# KiCad board travis_erg2026-v1.kicad_pcb
title: travis_erg2026; date: 2026-01-24; rev: 2026.01.24; company: Travis Hardiman
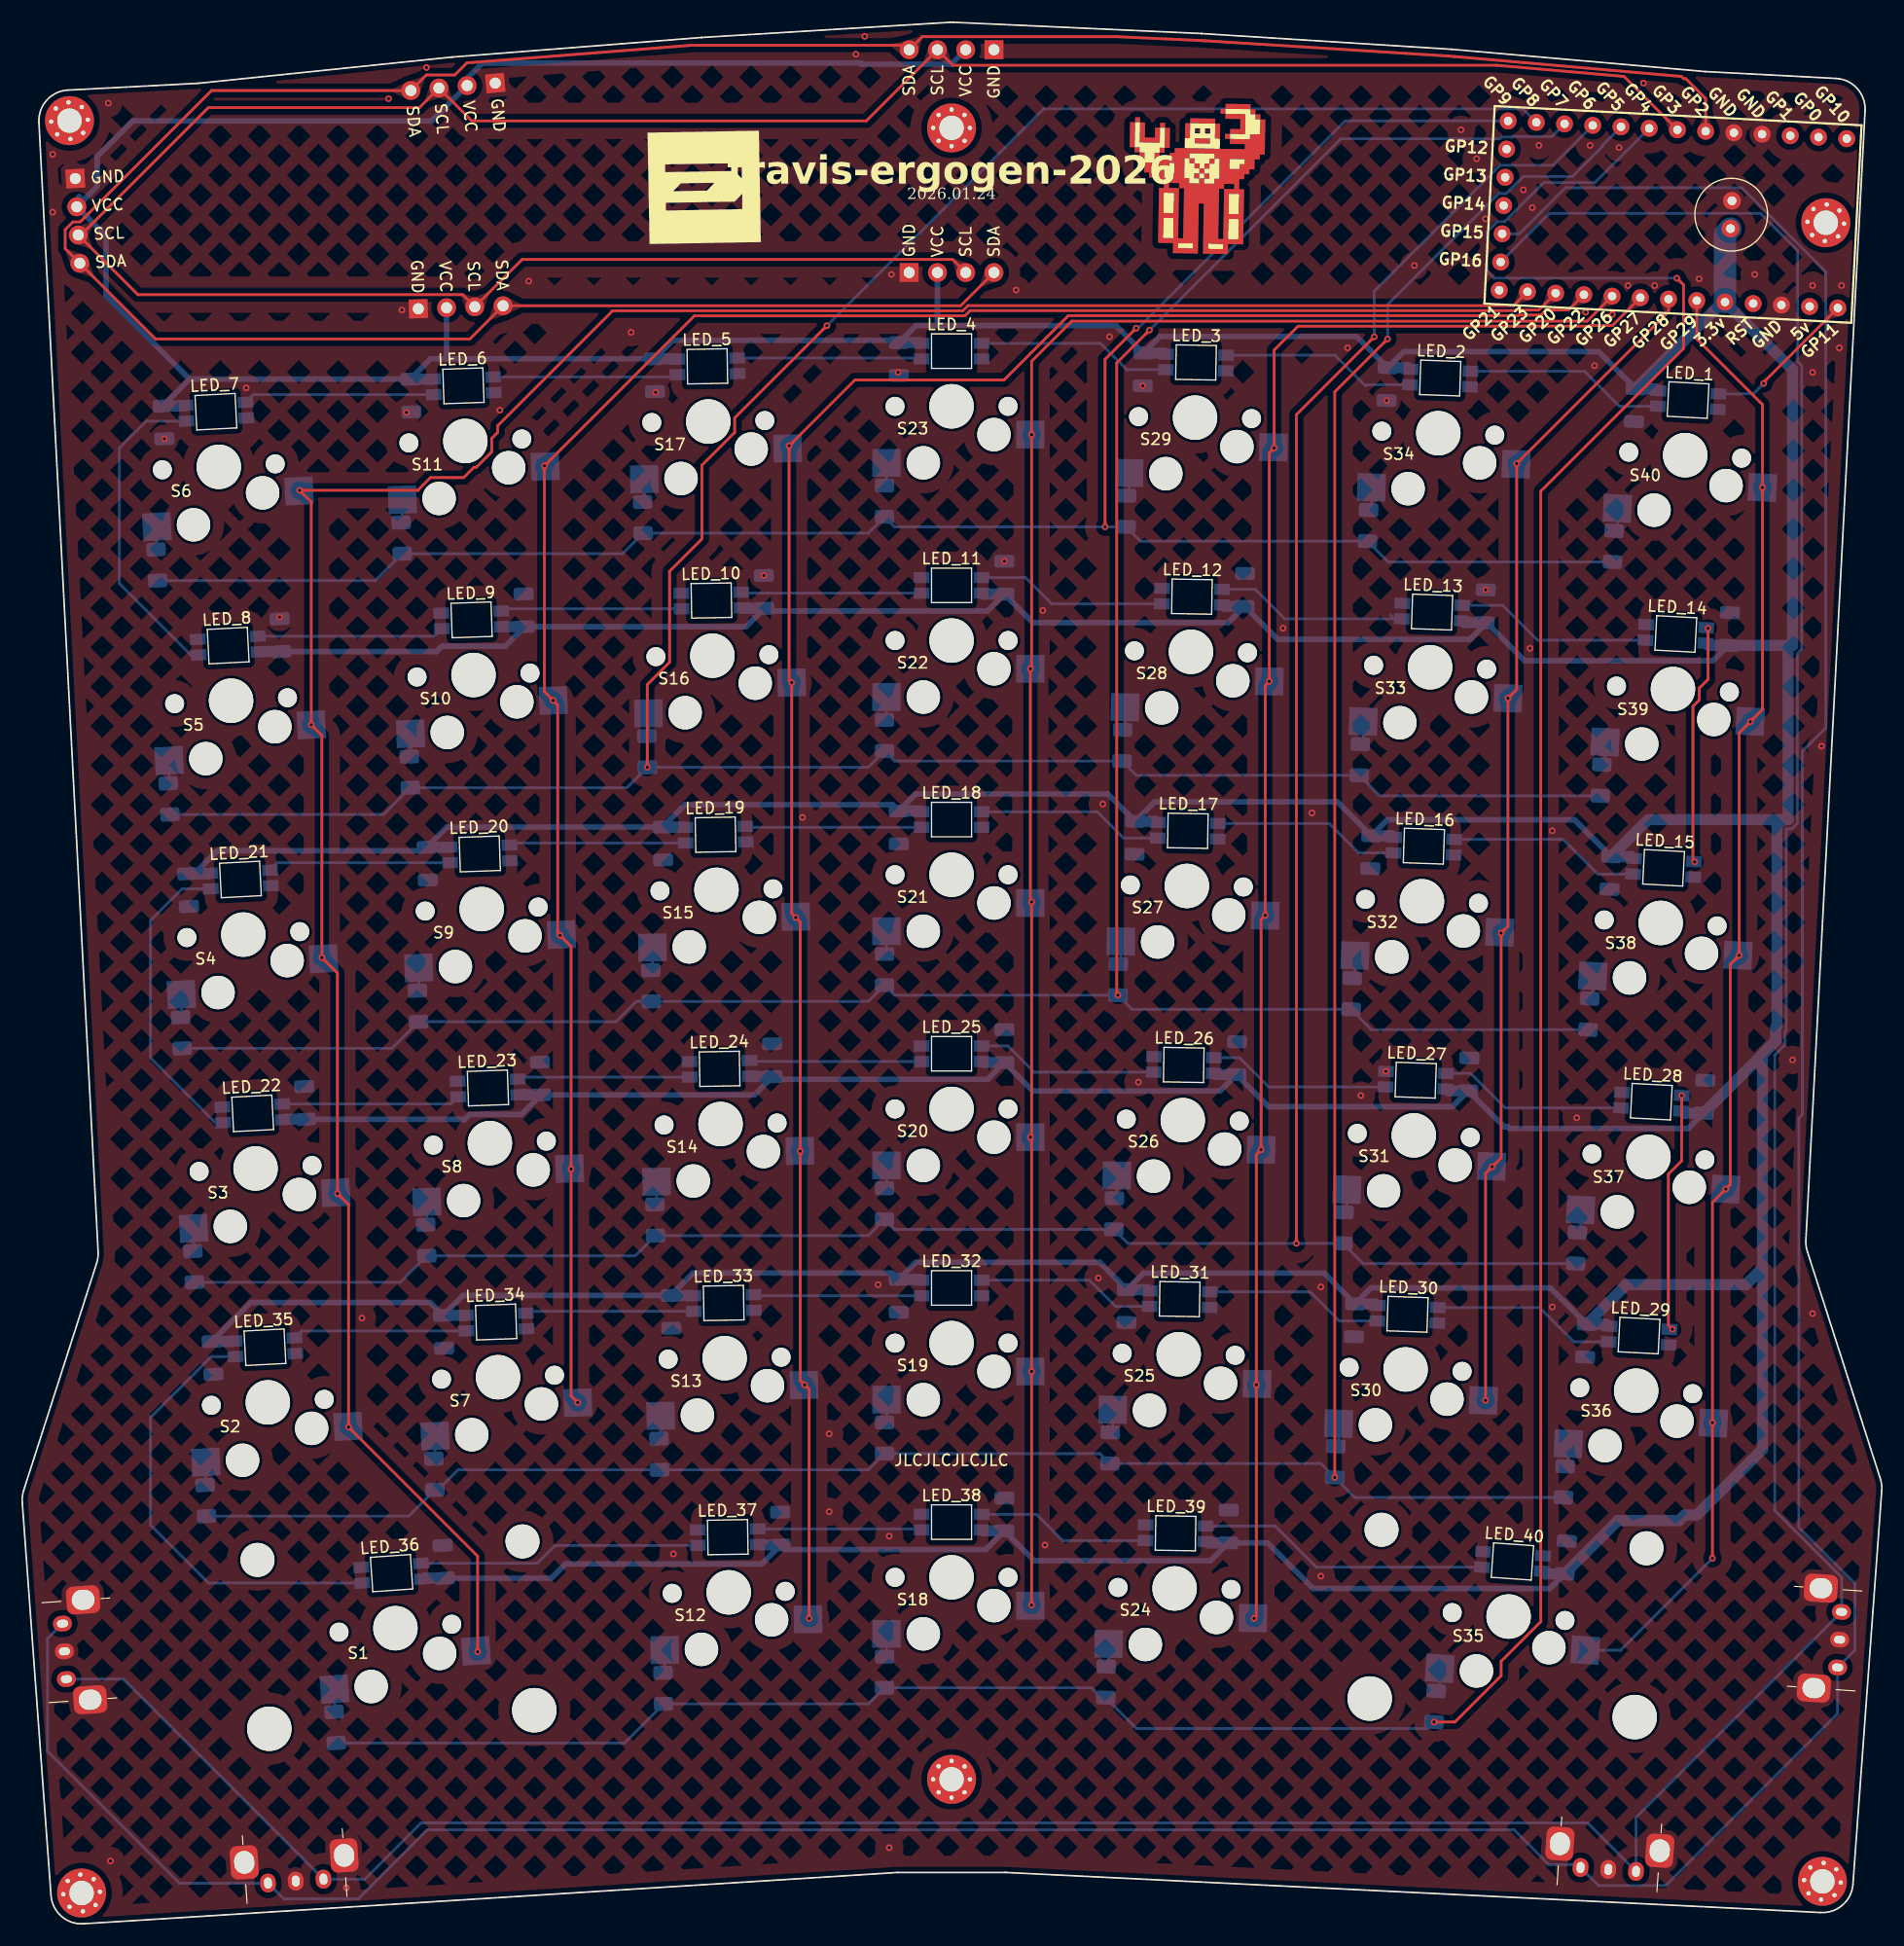
[diagram p0: board, top side]
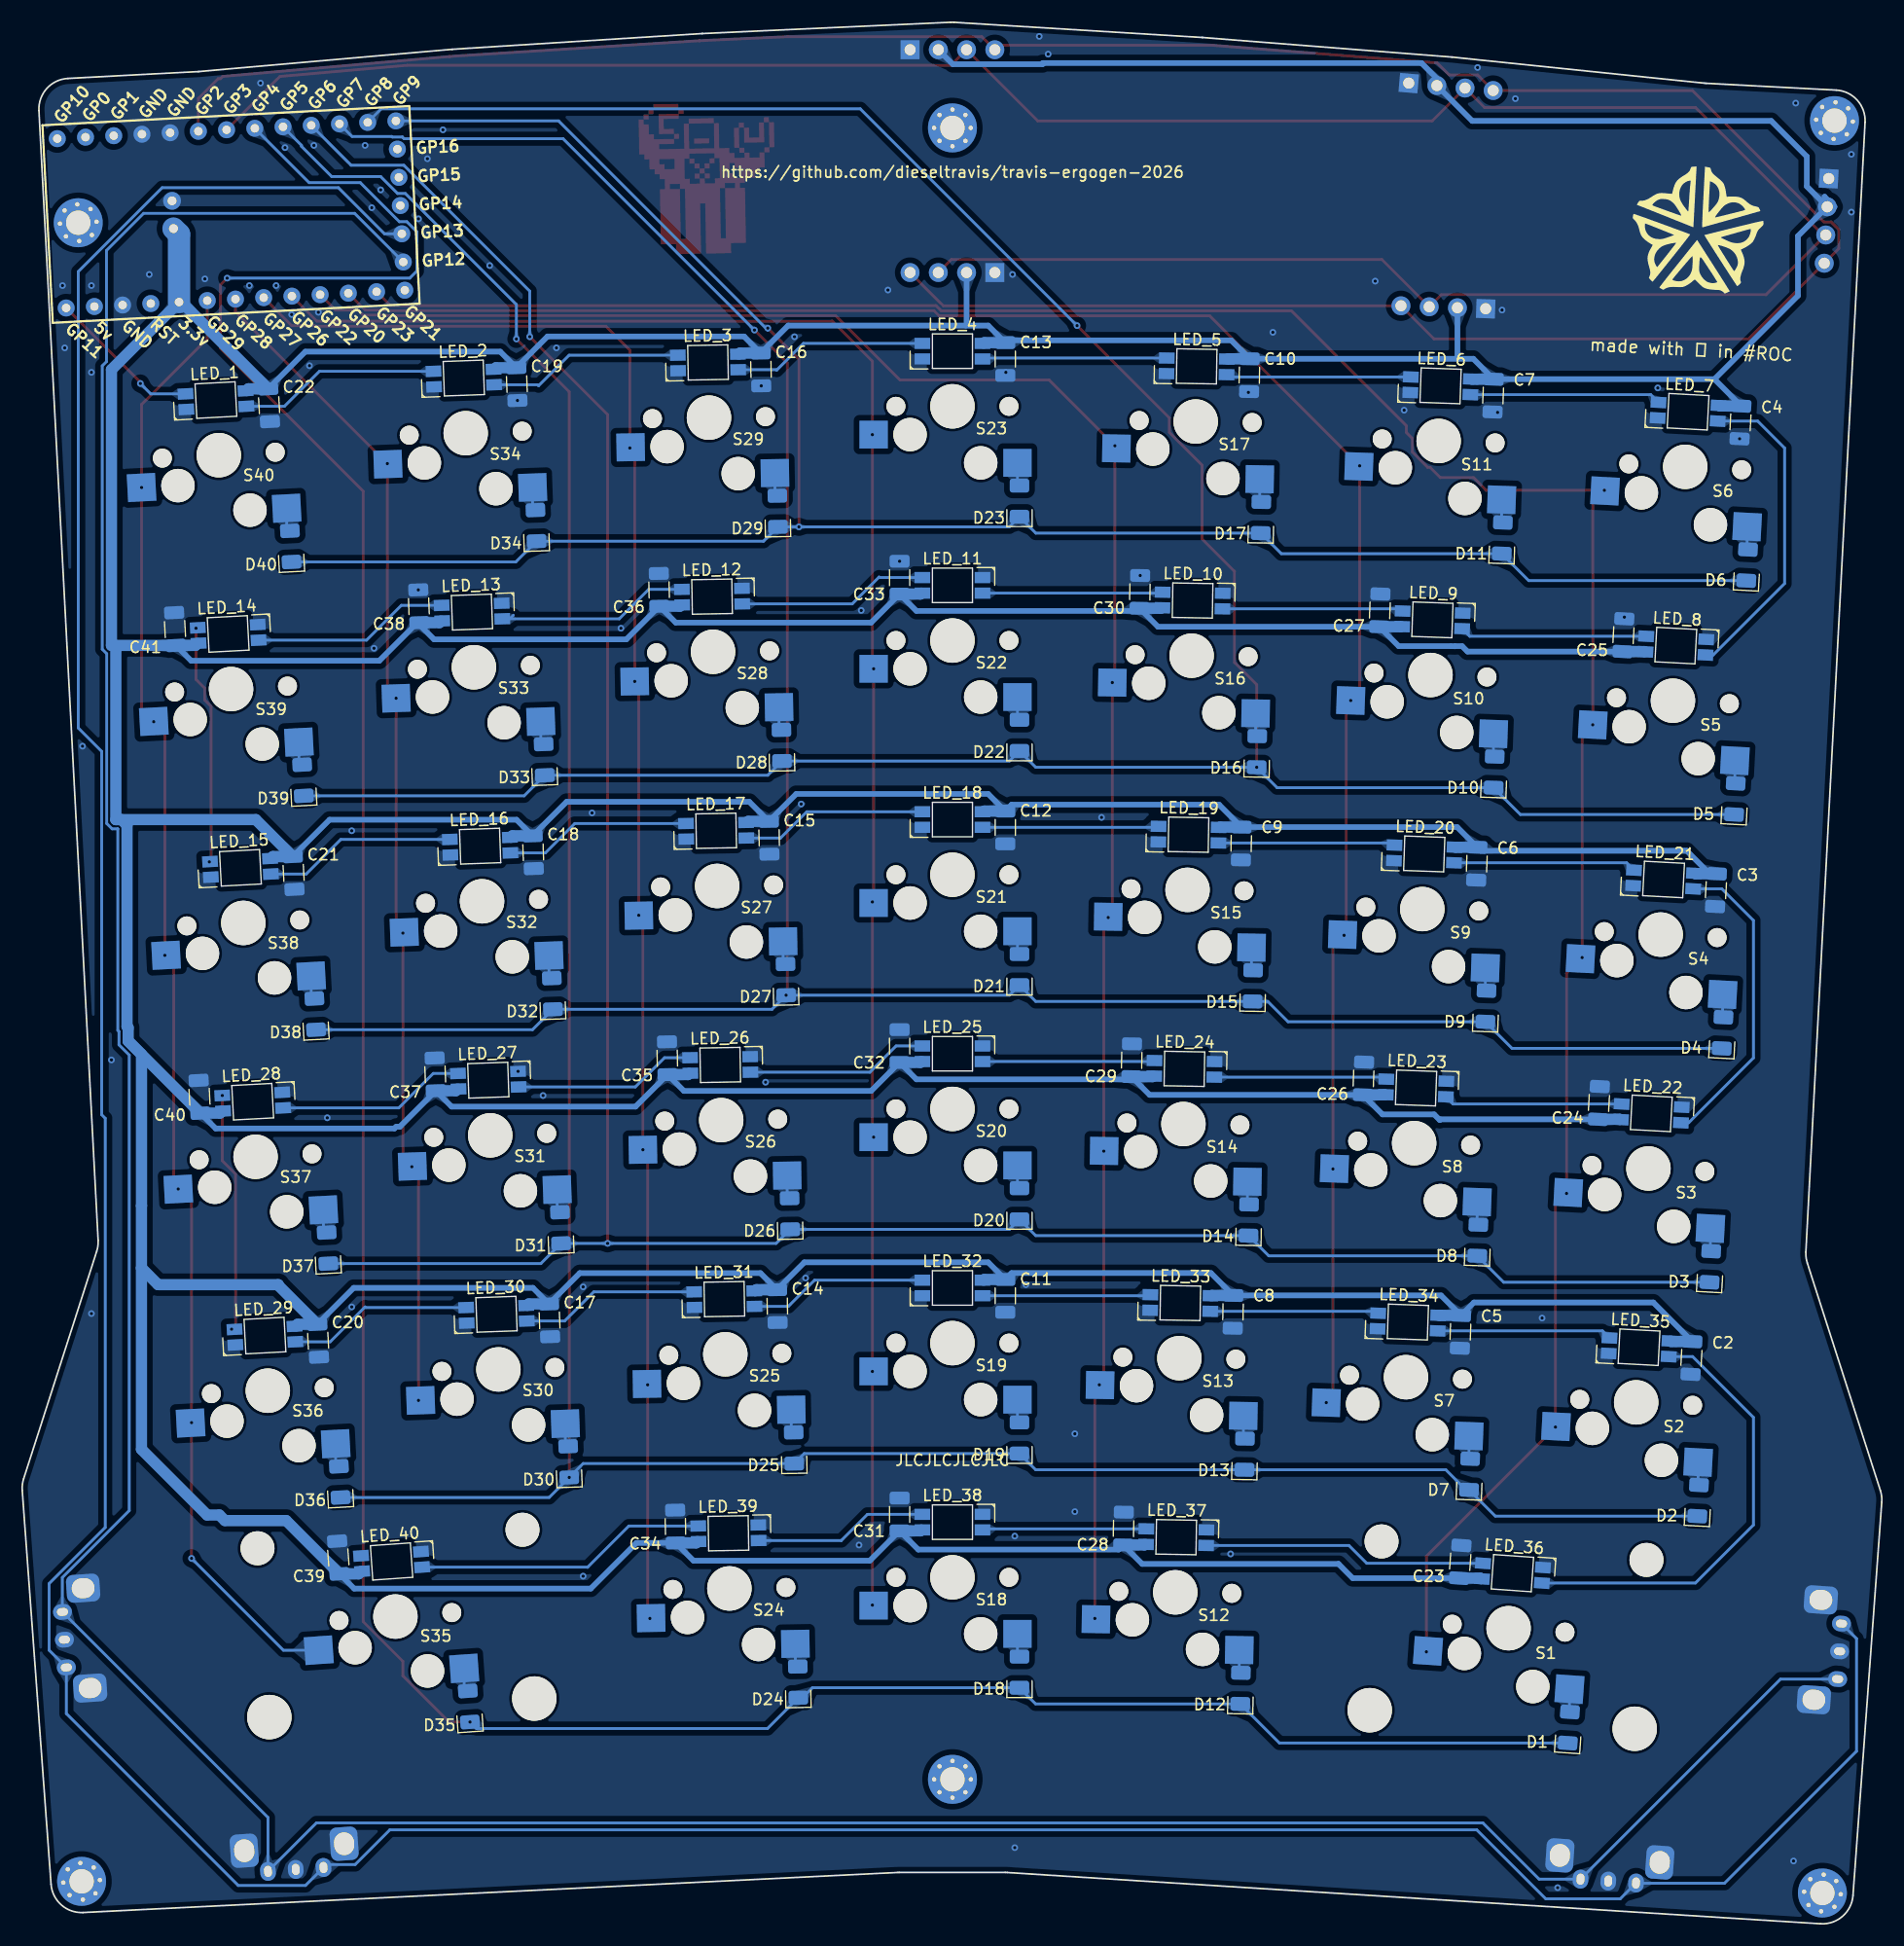
[diagram p1: board, bottom side, seen from below]

Outline 167.15 x 170.91 mm; copper layers: Top, Bottom. Coordinates in mm from the lower left corner of the outline.
Outline path: 0,37.9 arc(0.01,38.43) 0.12,38.94 6.69,59.39 arc(6.8,59.88) 6.82,60.38 1.5,161.92 arc(2.2,163.9) 4.1,164.81 15.79,165.42 arc(15.86,165.43) 15.93,165.43 38.59,167.77 arc(38.62,167.78) 38.66,167.78 61.04,169.54 arc(61.07,169.54) 61.09,169.54 83.39,170.9 arc(83.54,170.91) 83.68,170.91 106,169.89 arc(106.02,169.89) 106.05,169.89 128.46,168.48 arc(128.49,168.48) 128.53,168.47 151.24,166.48 arc(151.29,166.47) 151.34,166.47 163.05,165.86 arc(164.95,164.95) 165.65,162.97 160.33,61.42 arc(160.35,60.93) 160.46,60.44 167.03,39.99 arc(167.14,39.47) 167.15,38.95 164.56,3.55 arc(163.64,1.7) 161.68,1.01 88.44,4.61 arc(88.38,4.61) 88.31,4.61 78.78,4.61 arc(78.69,4.61) 78.61,4.61 5.5,0 arc(3.52,0.67) 2.59,2.54 0,37.9

## Placement (name value [footprint] x y rotation side)
C1  6.3V 1000uF  [C_Radial_D6.3mm_H11.0mm_P2.50mm]  153.55 152.36 87 top
C2  -  [C_1206_3216Metric]  17.11 50.86 273 bottom
C3  -  [C_1206_3216Metric]  14.91 92.9 273 bottom
C4  -  [C_1206_3216Metric]  12.7 134.94 273 bottom
C5  -  [C_1206_3216Metric]  37.87 53.21 272 bottom
C6  -  [C_1206_3216Metric]  36.4 95.28 272 bottom
C7  -  [C_1206_3216Metric]  34.93 137.36 272 bottom
C8  -  [C_1206_3216Metric]  58.32 55 271 bottom
C9  -  [C_1206_3216Metric]  57.58 97.09 271 bottom
C10  -  [C_1206_3216Metric]  56.85 139.19 271 bottom
C11  -  [C_1206_3216Metric]  78.79 56.44 270 bottom
C12  -  [C_1206_3216Metric]  78.79 98.54 270 bottom
C13  -  [C_1206_3216Metric]  78.79 140.64 270 bottom
C14  -  [C_1206_3216Metric]  99.28 55.52 269 bottom
C15  -  [C_1206_3216Metric]  100.01 97.61 269 bottom
C16  -  [C_1206_3216Metric]  100.75 139.7 269 bottom
C17  -  [C_1206_3216Metric]  119.75 54.24 268 bottom
C18  -  [C_1206_3216Metric]  121.22 96.31 268 bottom
C19  -  [C_1206_3216Metric]  122.69 138.39 268 bottom
C20  -  [C_1206_3216Metric]  140.55 52.4 267 bottom
C21  -  [C_1206_3216Metric]  142.76 94.45 267 bottom
C22  -  [C_1206_3216Metric]  144.96 136.49 267 bottom
C23  -  [C_1206_3216Metric]  37.89 32.53 94 bottom
C24  -  [C_1206_3216Metric]  25.42 73.78 93 bottom
C25  -  [C_1206_3216Metric]  23.22 115.82 93 bottom
C26  -  [C_1206_3216Metric]  46.58 75.97 92 bottom
C27  -  [C_1206_3216Metric]  45.11 118.05 92 bottom
C28  -  [C_1206_3216Metric]  68.16 35.52 91 bottom
C29  -  [C_1206_3216Metric]  67.42 77.61 91 bottom
C30  -  [C_1206_3216Metric]  66.69 119.71 91 bottom
C31  -  [C_1206_3216Metric]  88.29 36.79 90 bottom
C32  -  [C_1206_3216Metric]  88.29 78.89 90 bottom
C33  -  [C_1206_3216Metric]  88.29 120.99 90 bottom
C34  -  [C_1206_3216Metric]  108.43 35.7 89 bottom
C35  -  [C_1206_3216Metric]  109.17 77.8 89 bottom
C36  -  [C_1206_3216Metric]  109.9 119.89 89 bottom
C37  -  [C_1206_3216Metric]  130.03 76.34 88 bottom
C38  -  [C_1206_3216Metric]  131.5 118.42 88 bottom
C39  -  [C_1206_3216Metric]  138.74 32.92 86 bottom
C40  -  [C_1206_3216Metric]  151.22 74.33 87 bottom
C41  -  [C_1206_3216Metric]  153.42 116.37 87 bottom
D1  -  [D_1206_3216Metric]  28.13 17.64 94 bottom
D2  -  [D_1206_3216Metric]  16.5 38.04 93 bottom
D3  -  [D_1206_3216Metric]  15.4 59.06 93 bottom
D4  -  [D_1206_3216Metric]  14.3 80.08 93 bottom
D5  -  [D_1206_3216Metric]  13.2 101.1 93 bottom
D6  -  [D_1206_3216Metric]  12.1 122.12 93 bottom
D7  -  [D_1206_3216Metric]  37.04 40.4 92 bottom
D8  -  [D_1206_3216Metric]  36.31 61.43 92 bottom
D9  -  [D_1206_3216Metric]  35.58 82.47 92 bottom
D10  -  [D_1206_3216Metric]  34.84 103.51 92 bottom
D11  -  [D_1206_3216Metric]  34.11 124.54 92 bottom
D12  -  [D_1206_3216Metric]  57.63 21.16 91 bottom
D13  -  [D_1206_3216Metric]  57.26 42.2 91 bottom
D14  -  [D_1206_3216Metric]  56.9 63.25 91 bottom
D15  -  [D_1206_3216Metric]  56.53 84.3 91 bottom
D16  -  [D_1206_3216Metric]  56.16 105.35 91 bottom
D17  -  [D_1206_3216Metric]  55.79 126.39 91 bottom
D18  -  [D_1206_3216Metric]  77.51 22.61 90 bottom
D19  -  [D_1206_3216Metric]  77.51 43.66 90 bottom
D20  -  [D_1206_3216Metric]  77.51 64.71 90 bottom
D21  -  [D_1206_3216Metric]  77.51 85.76 90 bottom
D22  -  [D_1206_3216Metric]  77.51 106.81 90 bottom
D23  -  [D_1206_3216Metric]  77.51 127.86 90 bottom
D24  -  [D_1206_3216Metric]  97.41 21.72 89 bottom
D25  -  [D_1206_3216Metric]  97.78 42.77 89 bottom
D26  -  [D_1206_3216Metric]  98.15 63.81 89 bottom
D27  -  [D_1206_3216Metric]  98.51 84.86 89 bottom
D28  -  [D_1206_3216Metric]  98.88 105.91 89 bottom
D29  -  [D_1206_3216Metric]  99.25 126.95 89 bottom
D30  -  [D_1206_3216Metric]  118.03 41.51 88 bottom
D31  -  [D_1206_3216Metric]  118.77 62.55 88 bottom
D32  -  [D_1206_3216Metric]  119.5 83.59 88 bottom
D33  -  [D_1206_3216Metric]  120.23 104.63 88 bottom
D34  -  [D_1206_3216Metric]  120.97 125.66 88 bottom
D35  -  [D_1206_3216Metric]  127 19.53 86 bottom
D36  -  [D_1206_3216Metric]  138.61 39.71 87 bottom
D37  -  [D_1206_3216Metric]  139.71 60.74 87 bottom
D38  -  [D_1206_3216Metric]  140.82 81.76 87 bottom
D39  -  [D_1206_3216Metric]  141.92 102.78 87 bottom
D40  -  [D_1206_3216Metric]  143.02 123.8 87 bottom
HOLE1  -  [MountingHole_2.2mm_M2_Pad_Via]  4.25 162.06 3 top
HOLE2  -  [MountingHole_2.2mm_M2_Pad_Via#6]  83.54 161.41 0 top
HOLE3  -  [MountingHole_2.2mm_M2_Pad_Via#4]  162.12 152.89 357 top
HOLE4  -  [MountingHole_2.2mm_M2_Pad_Via#2]  161.81 3.81 356 top
HOLE5  -  [MountingHole_2.2mm_M2_Pad_Via#3]  83.54 12.98 0 top
HOLE6  -  [MountingHole_2.2mm_M2_Pad_Via#5]  5.34 2.76 4 top
LED1  SK6812mini-e  [led_SK6812mini-e (per-key, single-side)]  21.82 51.82 183 bottom
LED2  SK6812mini-e  [led_SK6812mini-e (per-key, single-side)]  19.61 93.86 183 bottom
LED3  SK6812mini-e  [led_SK6812mini-e (per-key, single-side)]  17.41 135.9 183 bottom
LED4  SK6812mini-e  [led_SK6812mini-e (per-key, single-side)]  42.6 54.08 182 bottom
LED5  SK6812mini-e  [led_SK6812mini-e (per-key, single-side)]  41.13 96.16 182 bottom
LED6  SK6812mini-e  [led_SK6812mini-e (per-key, single-side)]  39.66 138.23 182 bottom
LED7  SK6812mini-e  [led_SK6812mini-e (per-key, single-side)]  63.05 55.79 181 bottom
LED8  SK6812mini-e  [led_SK6812mini-e (per-key, single-side)]  62.32 97.89 181 bottom
LED9  SK6812mini-e  [led_SK6812mini-e (per-key, single-side)]  61.58 139.98 181 bottom
LED10  SK6812mini-e  [led_SK6812mini-e (per-key, single-side)]  83.54 57.15 180 bottom
LED11  SK6812mini-e  [led_SK6812mini-e (per-key, single-side)]  83.54 99.25 180 bottom
LED12  SK6812mini-e  [led_SK6812mini-e (per-key, single-side)]  83.54 141.35 180 bottom
LED13  SK6812mini-e  [led_SK6812mini-e (per-key, single-side)]  104.04 56.14 179 bottom
LED14  SK6812mini-e  [led_SK6812mini-e (per-key, single-side)]  104.77 98.24 179 bottom
LED15  SK6812mini-e  [led_SK6812mini-e (per-key, single-side)]  105.51 140.33 179 bottom
LED16  SK6812mini-e  [led_SK6812mini-e (per-key, single-side)]  124.52 54.78 178 bottom
LED17  SK6812mini-e  [led_SK6812mini-e (per-key, single-side)]  125.99 96.86 178 bottom
LED18  SK6812mini-e  [led_SK6812mini-e (per-key, single-side)]  127.46 138.93 178 bottom
LED19  SK6812mini-e  [led_SK6812mini-e (per-key, single-side)]  145.33 52.87 177 bottom
LED20  SK6812mini-e  [led_SK6812mini-e (per-key, single-side)]  147.54 94.91 177 bottom
LED21  SK6812mini-e  [led_SK6812mini-e (per-key, single-side)]  149.74 136.95 177 bottom
LED22  SK6812mini-e  [led_SK6812mini-e (per-key, single-side)]  33.2 31.51 4 bottom
LED23  SK6812mini-e  [led_SK6812mini-e (per-key, single-side)]  20.71 72.84 3 bottom
LED24  SK6812mini-e  [led_SK6812mini-e (per-key, single-side)]  18.51 114.88 3 bottom
LED25  SK6812mini-e  [led_SK6812mini-e (per-key, single-side)]  41.86 75.12 2 bottom
LED26  SK6812mini-e  [led_SK6812mini-e (per-key, single-side)]  40.39 117.19 2 bottom
LED27  SK6812mini-e  [led_SK6812mini-e (per-key, single-side)]  63.42 34.75 1 bottom
LED28  SK6812mini-e  [led_SK6812mini-e (per-key, single-side)]  62.68 76.84 1 bottom
LED29  SK6812mini-e  [led_SK6812mini-e (per-key, single-side)]  61.95 118.93 1 bottom
LED30  SK6812mini-e  [led_SK6812mini-e (per-key, single-side)]  83.54 36.1 0 bottom
LED31  SK6812mini-e  [led_SK6812mini-e (per-key, single-side)]  83.54 78.2 0 bottom
LED32  SK6812mini-e  [led_SK6812mini-e (per-key, single-side)]  83.54 120.3 0 bottom
LED33  SK6812mini-e  [led_SK6812mini-e (per-key, single-side)]  103.67 35.1 359 bottom
LED34  SK6812mini-e  [led_SK6812mini-e (per-key, single-side)]  104.41 77.19 359 bottom
LED35  SK6812mini-e  [led_SK6812mini-e (per-key, single-side)]  105.14 119.28 359 bottom
LED36  SK6812mini-e  [led_SK6812mini-e (per-key, single-side)]  125.26 75.82 358 bottom
LED37  SK6812mini-e  [led_SK6812mini-e (per-key, single-side)]  126.73 117.89 358 bottom
LED38  SK6812mini-e  [led_SK6812mini-e (per-key, single-side)]  133.95 32.56 356 bottom
LED39  SK6812mini-e  [led_SK6812mini-e (per-key, single-side)]  146.44 73.89 357 bottom
LED40  SK6812mini-e  [led_SK6812mini-e (per-key, single-side)]  148.64 115.93 357 bottom
LOGO1  -  [utility_ergogen_logo]  61.3 156.07 1 top
LOGO2  -  [travis]  105.79 156.42 359 top
MCU1  RP2040 Pro Micro  [RP2040_Pro_Micro]  147.11 153.7 267 top
OLED1  -  [I2C_Breakout]  4.77 156.86 3 top
OLED2  -  [I2C_Breakout]  35.6 145.16 92 top
OLED3  -  [I2C_Breakout]  42.52 165.44 275 top
OLED4  -  [I2C_Breakout]  79.73 148.41 90 top
OLED5  -  [I2C_Breakout]  87.35 168.44 270 top
ROC1  -  [travis]  16.57 151.97 3 bottom
ROT1  EC10E1220501  [Alps-EC10E1220501]  3.79 24.48 274 top
ROT2  EC10E1220501  [Alps-EC10E1220501]  24.58 3.83 4 top
ROT3  EC10E1220501  [Alps-EC10E1220501]  142.57 4.88 356 top
ROT4  EC10E1220501  [Alps-EC10E1220501]  163.36 25.53 86 top
S1  Kailh MX Switch Sockets  [MX]  33.54 26.56 184 top
S2  Kailh MX Switch Sockets  [MX]  22.08 46.86 183 top
S3  Kailh MX Switch Sockets  [MX]  20.97 67.89 183 top
S4  Kailh MX Switch Sockets  [MX]  19.87 88.91 183 top
S5  Kailh MX Switch Sockets  [MX]  18.77 109.93 183 top
S6  Kailh MX Switch Sockets  [MX]  17.67 130.95 183 top
S7  Kailh MX Switch Sockets  [MX]  42.77 49.13 182 top
S8  Kailh MX Switch Sockets  [MX]  42.03 70.16 182 top
S9  Kailh MX Switch Sockets  [MX]  41.3 91.2 182 top
S10  Kailh MX Switch Sockets  [MX]  40.56 112.24 182 top
S11  Kailh MX Switch Sockets  [MX]  39.83 133.27 182 top
S12  Kailh MX Switch Sockets  [MX]  63.51 29.79 181 top
S13  Kailh MX Switch Sockets  [MX]  63.14 50.83 181 top
S14  Kailh MX Switch Sockets  [MX]  62.77 71.88 181 top
S15  Kailh MX Switch Sockets  [MX]  62.4 92.93 181 top
S16  Kailh MX Switch Sockets  [MX]  62.04 113.97 181 top
S17  Kailh MX Switch Sockets  [MX]  61.67 135.02 181 top
S18  Kailh MX Switch Sockets  [MX]  83.54 31.14 180 top
S19  Kailh MX Switch Sockets  [MX]  83.54 52.19 180 top
S20  Kailh MX Switch Sockets  [MX]  83.54 73.24 180 top
S21  Kailh MX Switch Sockets  [MX]  83.54 94.29 180 top
S22  Kailh MX Switch Sockets  [MX]  83.54 115.34 180 top
S23  Kailh MX Switch Sockets  [MX]  83.54 136.39 180 top
S24  Kailh MX Switch Sockets  [MX]  103.59 30.14 179 top
S25  Kailh MX Switch Sockets  [MX]  103.95 51.18 179 top
S26  Kailh MX Switch Sockets  [MX]  104.32 72.23 179 top
S27  Kailh MX Switch Sockets  [MX]  104.69 93.28 179 top
S28  Kailh MX Switch Sockets  [MX]  105.05 114.32 179 top
S29  Kailh MX Switch Sockets  [MX]  105.42 135.37 179 top
S30  Kailh MX Switch Sockets  [MX]  124.35 49.82 178 top
S31  Kailh MX Switch Sockets  [MX]  125.08 70.86 178 top
S32  Kailh MX Switch Sockets  [MX]  125.82 91.9 178 top
S33  Kailh MX Switch Sockets  [MX]  126.55 112.94 178 top
S34  Kailh MX Switch Sockets  [MX]  127.29 133.97 178 top
S35  Kailh MX Switch Sockets  [MX]  133.61 27.61 176 top
S36  Kailh MX Switch Sockets  [MX]  145.08 47.91 177 top
S37  Kailh MX Switch Sockets  [MX]  146.18 68.93 177 top
S38  Kailh MX Switch Sockets  [MX]  147.28 89.95 177 top